# KiCad board mobo.kicad_pcb (continued)
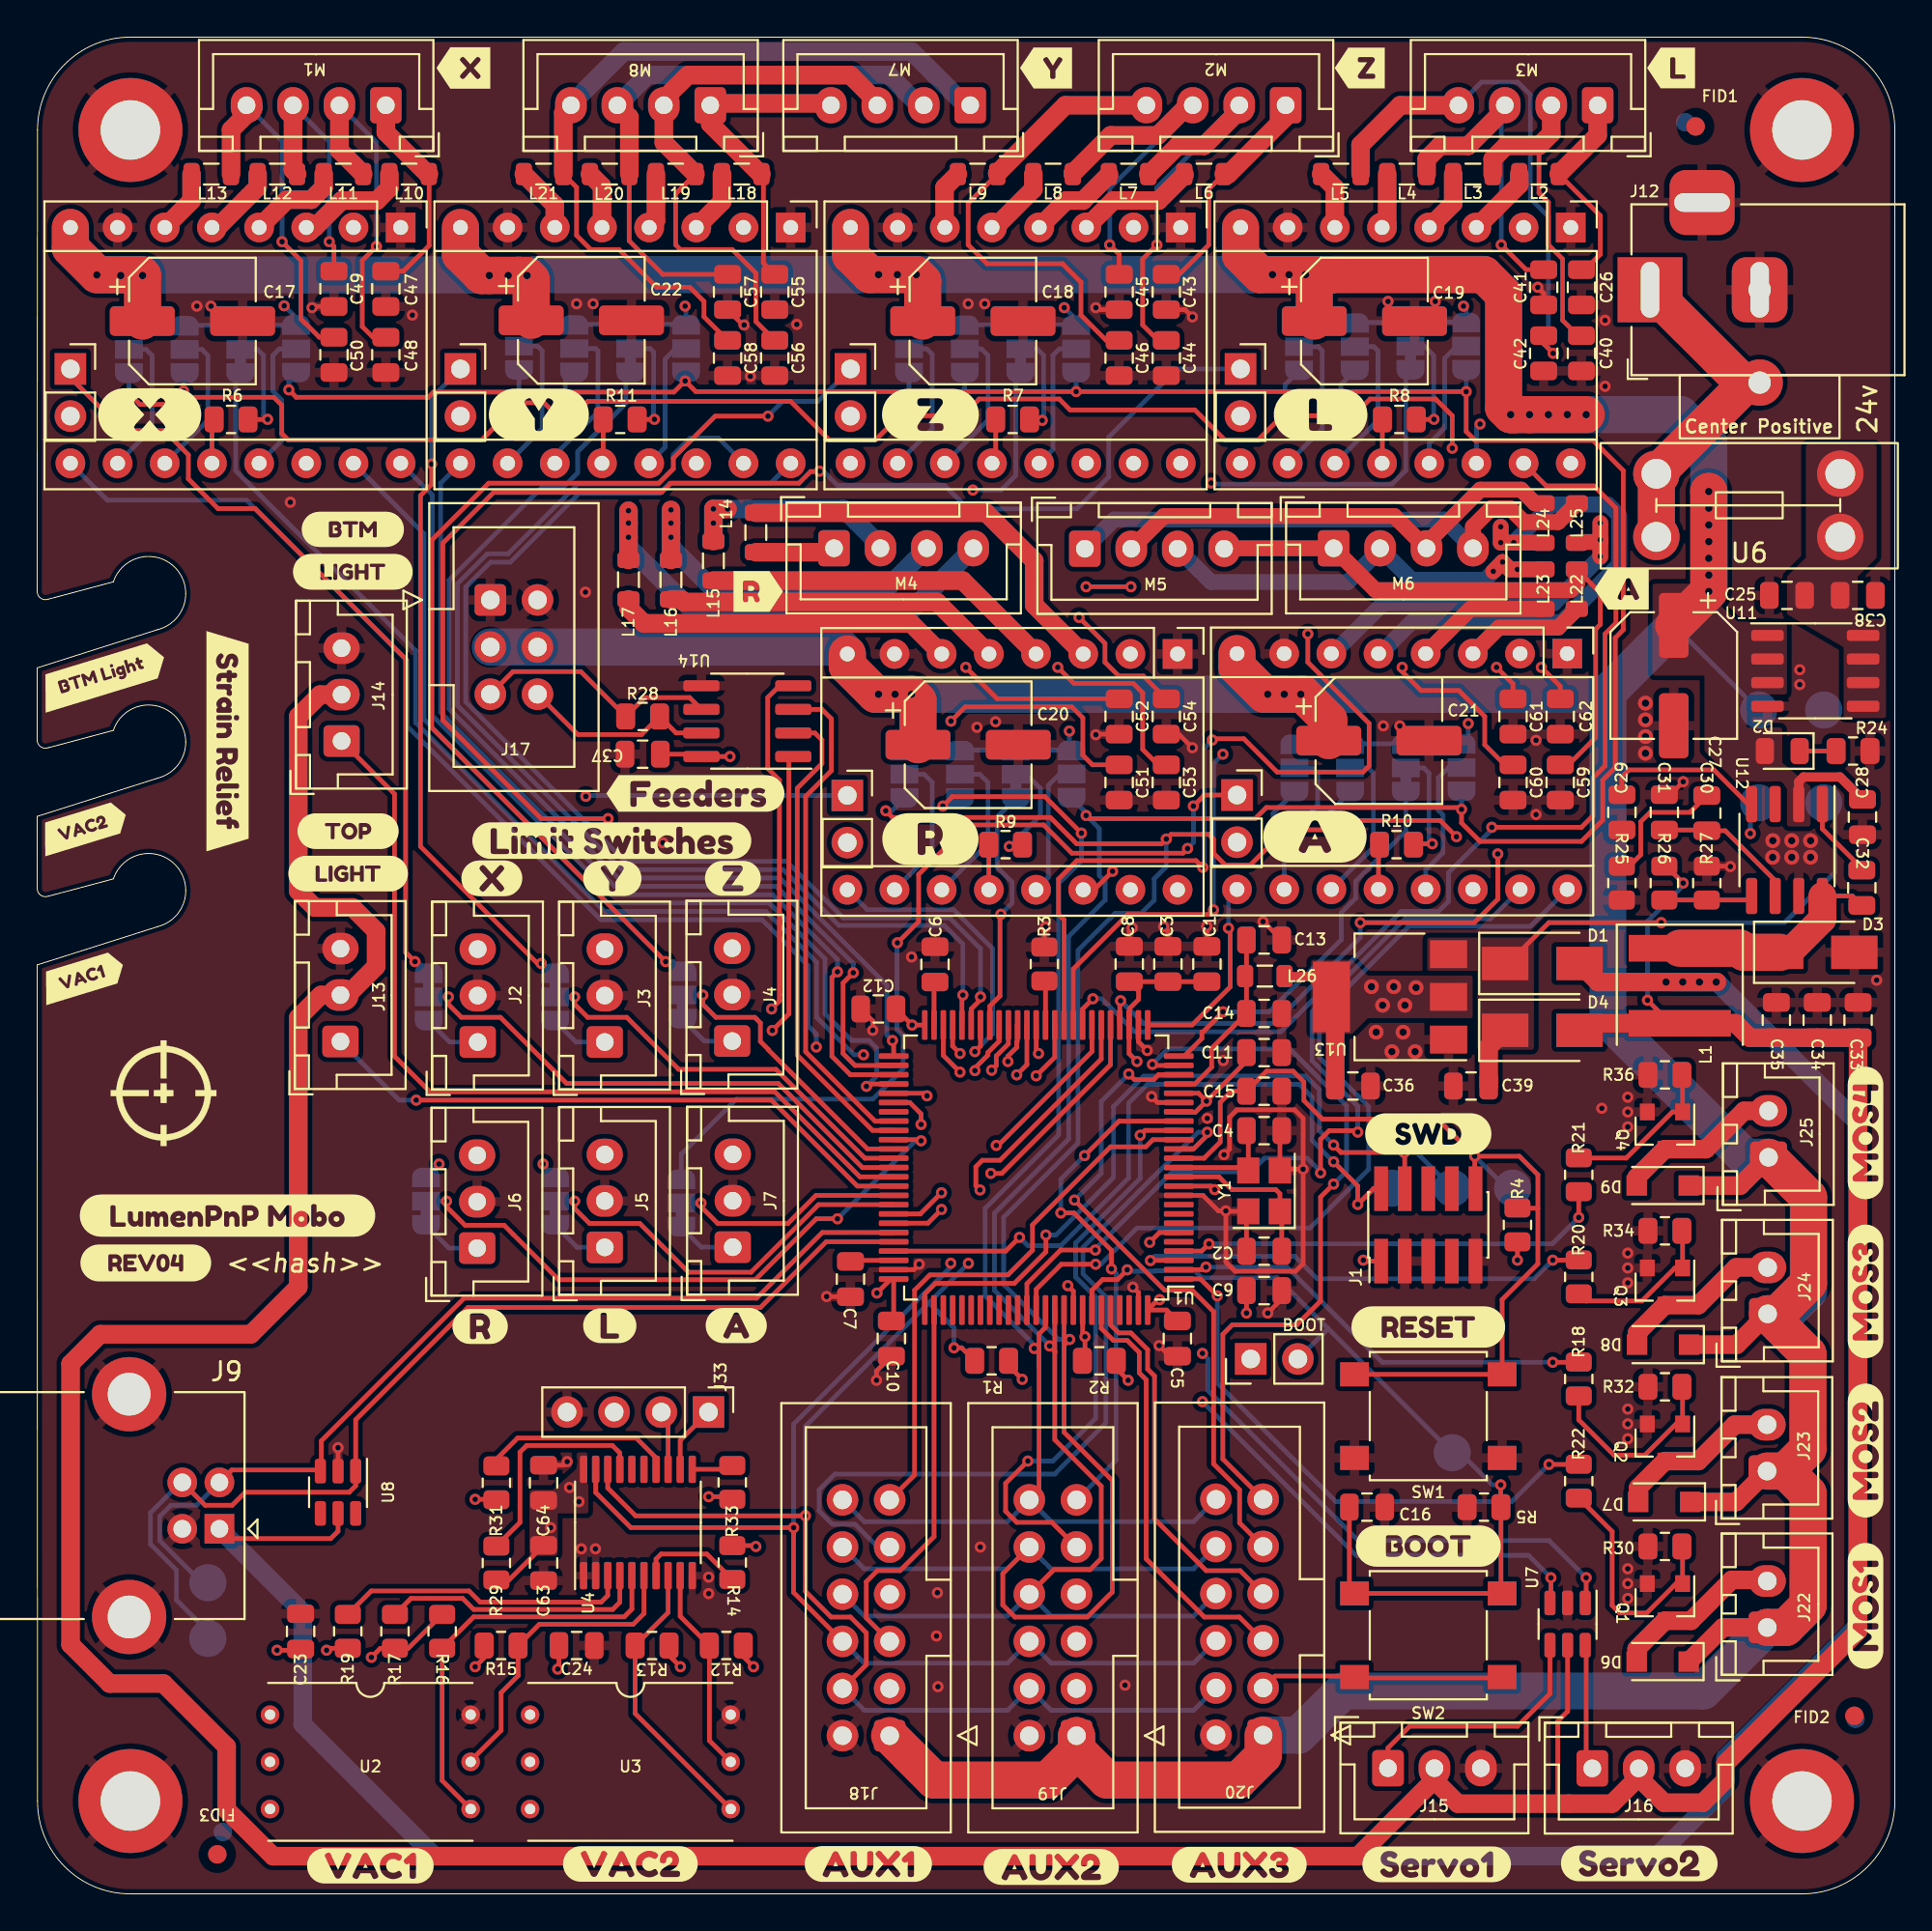
[diagram p0: board, top side]
## Routing (per net, layer and track width the routed paths; a pad name or vN(x,y) marks a point on that pad's centre or on a via; arc(x,y) is an arc through that point) (continued)
/Limit switches/L_LIMIT: length 3.2
  Bottom w0.25: JP30.1 29.07,34.82 J5.1
/Limit switches/R: length 33.2
  Top w0.25: v1(43.09,36.36) 41.95,36.36 38.67,33.08 28.07,33.08 25.14,36.01 23.04,36.01 22.04,37.01 v1(22.04,37.31) ; v1(47.59,40.56) 47.53,40.62 U1.60
  Bottom w0.25: v1(47.59,40.56) 47.29,40.56 v1(43.09,36.36) ; v1(22.04,37.31) JP31.2
/Limit switches/R_DIAG: length 38.2
  In2.Cu w0.25: v1(21.64,39.31) 21.64,40.41 25.44,44.21 25.44,55.01 v1(29.54,59.11)
  Bottom w0.25: J28.1 29.59,59.16 v1(29.54,59.11) ; v1(21.64,39.31) JP31.3
/Limit switches/R_LIMIT: length 3.3
  Bottom w0.25: J6.1 22.17,34.78 JP31.1
/Limit switches/X: length 29.1
  Top w0.25: v1(22.14,48.31) 22.14,47.91 22.84,47.21 24.94,47.21 28.5,43.65 39.9,43.65 44.43,39.12 U1.63
  Bottom w0.25: v1(22.14,48.31) JP25.2
/Limit switches/X_DIAG: length 43.1
  Top w0.25: J27.1 1.79,81.66 4.64,78.81 6.84,78.81 8.14,77.51 8.14,76.21 9.74,74.61 11.74,74.61 19.84,66.51 19.84,50.71 v1(20.34,50.21)
  Bottom w0.25: v1(20.34,50.21) 20.48,50.21 JP25.1
/Limit switches/X_LIMIT: length 3.1
  Bottom w0.25: J2.1 22.21,45.88 JP25.3
/Limit switches/Y: length 22.1
  Top w0.25: v1(28.94,48.31) 28.94,47.91 29.64,47.21 31.74,47.21 34.54,44.41 39.78,44.41 44.57,39.62 U1.62
  Bottom w0.25: v1(28.94,48.31) JP26.2
/Limit switches/Y_DIAG: length 36.7
  Top w0.25: v1(21.24,77.01) 21.24,75.91 20.64,75.31 20.64,56.41 26.94,50.11 v1(27.14,50.11)
  Bottom w0.25: J29.1 21.24,80.58 v1(21.24,77.01) ; JP26.1 27.64,49.61 v1(27.14,50.11)
/Limit switches/Y_LIMIT: length 3.1
  Bottom w0.25: J3.1 29.01,45.88 JP26.3
/Limit switches/Z: length 15.7
  Top w0.25: U1.61 44.7,40.12 39.38,45.44 39.38,45.47 38.94,45.91 38.94,46.91 38.64,47.21 36.54,47.21 35.84,47.91 v1(35.84,48.41)
  Bottom w0.25: v1(35.84,48.41) JP29.2
/Limit switches/Z_DIAG: length 55.7
  Top w0.25: v1(33.84,50.21) 21.24,62.81 21.24,72.91 24.31,75.98 33.48,75.98 34.25,76.75 34.25,77.33 36.51,79.59 v1(39.35,79.59)
  Bottom w0.25: v1(33.84,50.21) 34.24,50.21 JP29.3 ; J26.1 42.04,80.38 40.14,80.38 v1(39.35,79.59)
/Limit switches/Z_LIMIT: length 3.2
  Bottom w0.25: J4.1 35.92,45.93 JP29.1
/Microcontroller/BOOT0: length 49.3
  Top w0.25: C16.1 70.65,16.46 SW2.1 SW2.1 78.81,16.24 R5.1 78.8,20.84 v1(78.8,22.03) ; U1.94 56.79,32.51 57.37,33.09 58.17,33.09 v1(58.69,33.61)
  Bottom w0.25: J32.2 69.49,30.42 69.49,30.46 ; 69.49,30.46 66.76,33.19 62.69,33.19 62.32,33.56 60.2,33.56 60.18,33.54 58.76,33.54 v1(58.69,33.61) ; 69.49,30.46 TP6.1 76.62,23.76 78.35,22.03 v1(78.8,22.03)
/Microcontroller/BOOT1: length 2.4
  Top w0.25: U1.37 54.29,49.11 R3.1
/Microcontroller/NRST: length 50.5
  Top w0.25: v1(77.4,39.73) 75.4,41.73 69.2,41.73 68.2,42.73 68.2,43.73 67.62,44.31 66.19,44.31 C15.1 64.3,43.23 63.7,42.63 63.7,40.49 62.83,39.62 U1.14 ; v1(77.4,39.73) 79.8,39.73 80.8,38.73 80.8,33.93 78.88,32 SW1.2 SW1.2 ; v1(77.4,39.73) 77.4,38.22 77.44,38.18 J1.10 ; R4.2 79.71,36.93 80.8,36.93
  Bottom w0.25: TP3.1 79.12,38.01 v1(77.4,39.73)
/Microcontroller/PA2: length 20.9
  Top w0.25: v1(63.85,47.51) 62.76,46.42 62.71,46.42 62.71,46.07 61.76,45.12 U1.25
  Bottom w0.25: JP18.3 73.69,57.24 70.99,54.54 70.99,53.62 70.22,52.85 70.22,51.39 66.33,47.51 v1(63.85,47.51)
/Microcontroller/PA3: length 10.8
  Top w0.25: v1(64.14,52.01) 64.23,51.92 64.23,48.85 62.18,46.8 U1.26
  Bottom w0.25: v1(64.14,52.01) 64.14,53.64 A5.9
/Microcontroller/PA4: length 53.1
  Top w0.25: v1(58.33,48.1) 58.29,48.06 U1.29 ; v1(71.24,52.31) 77.38,52.31 78.64,53.57 v1(78.64,56.01)
  In2.Cu w0.25: A3.16 84.92,74.7 84.92,61.13 79.81,56.01 v1(78.64,56.01)
  Bottom w0.25: v1(58.33,48.1) 59.56,46.88 66.61,46.88 71.24,51.51 v1(71.24,52.31)
/Microcontroller/PA9_USART1_TX: length 35.7
  Top w0.25: U14.4 39.97,65.06 39.33,64.43 39.33,60.62 39.97,59.98 39.97,48.09 v1(39.54,47.66) ; v1(48.69,37.76) 47.55,36.62 U1.68
  In2.Cu w0.25: v1(39.54,47.66) 40.59,46.61 40.59,45.76 48.59,37.76 v1(48.69,37.76)
/Microcontroller/PA10_USART1_RX: length 31.5
  Top w0.25: v1(48.69,36.86) 47.95,36.12 U1.69 ; U14.1 40.47,61.02 40.47,47.39 v1(39.58,46.5)
  In2.Cu w0.25: v1(48.69,36.86) 39.58,45.97 v1(39.58,46.5)
/Microcontroller/PB0: length 51.9
  Top w0.25: v1(62.76,55.29) 62.4,55.65 55.98,55.65 54.99,54.66 54.99,52.76 55.29,52.46 U1.35 ; v1(63.27,62.14) 63.33,62.21 64.97,62.21 66.76,60.42 71.39,60.42 71.72,60.75 71.72,63.03 68.41,66.34 v1(68.41,67.86)
  In2.Cu w0.25: v1(68.41,67.86) 66.38,69.89 66.38,75.46 A3.9
  Bottom w0.25: v1(62.76,55.29) 62.83,55.35 62.83,61.7 v1(63.27,62.14)
/Microcontroller/PB1: length 42.6
  Top w0.25: v1(53.79,44.06) 54.79,45.06 U1.36
  In2.Cu w0.25: A2.16 60.16,75.64 60.16,66.21 59.4,65.45 57.49,65.45 55,62.95 55,57.05 57.54,54.51 57.54,47.81 v1(53.79,44.06)
/Microcontroller/PB6_I2C1_SCL: length 75
  Top w0.25: R1.2 49.78,29.41 v1(49.36,29.41) ; U1.92 55.79,32.46 v1(55.49,32.76) ; J18.4 44.64,12.34 44.64,14.06 43.79,14.91 42.75,14.91 41.36,16.29 v1(41.36,20.36) 32.22,20.36 30.72,21.86 U4.18
  In2.Cu w0.25: v1(50.14,33.96) 54.29,33.96 v1(55.49,32.76)
  Bottom w0.25: v1(50.14,33.96) 48.02,31.84 ; 48.02,31.84 41.36,25.18 v1(41.36,20.36) ; 48.02,31.84 49.36,30.49 v1(49.36,29.41) ; J18.4 44.54,9.88 52.24,9.88 J19.4 54.6,9.88 62.26,9.88 J20.4
/Microcontroller/PB7_I2C1_SDA: length 73.6
  Top w0.25: U4.19 30.07,21.62 31.97,19.73 v1(40.73,19.73) 40.73,16.23 J18.6 ; U1.93 56.29,30.14 v1(56.42,30.01) 56.42,28.6
  In2.Cu w0.25: v1(49.19,33.97) 49.78,34.56 54.69,34.56 56.42,32.83 v1(56.42,30.01)
  Bottom w0.25: J18.6 44.54,12.42 52.24,12.42 J19.6 54.6,12.42 62.26,12.42 J20.6 ; v1(49.19,33.97) 49.19,33.76 40.73,25.3 v1(40.73,19.73)
/Microcontroller/PB10: length 50.9
  Top w0.25: U7.3 81.5,15.72 v1(81.5,17.03) ; v1(49.69,45.26) 49.29,45.66 U1.47
  In2.Cu w0.25: v1(62.74,26.51) 62.64,26.61 62.64,28.11 58.19,32.56 57.49,32.56 55.29,34.76 55.29,35.46 54.49,36.26 54.49,38.46 49.06,43.89 49.06,44.63 v1(49.69,45.26)
  Bottom w0.25: v1(81.5,17.03) 80.3,18.23 71.02,18.23 v1(62.74,26.51)
/Microcontroller/PB11: length 52
  Top w0.25: U7.1 83.4,15.72 v1(83.4,17.03) ; U1.48 48.79,45.16 v1(49.69,44.26)
  In2.Cu w0.25: v1(62.74,29.11) 62.44,29.11 59.59,31.96 59.59,33.53 56.89,36.23 56.89,37.56 56.19,38.26 55.69,38.26 v1(49.69,44.26)
  Bottom w0.25: v1(83.4,17.03) 81.4,19.03 71.12,19.03 63.04,27.11 63.04,28.81 v1(62.74,29.11)
/Microcontroller/PB12: length 56.5
  Top w0.25: U1.51 46.11,45.89 v1(46.05,45.96)
  Bottom w0.25: v1(46.05,45.96) 45.75,46.26 45.75,48.94 39.98,54.71 31.28,54.71 22.17,63.82 22.17,70.75 27.18,75.75 27.2,75.73 28.3,75.73 29.1,76.53 29.1,77.68 31.69,80.27 31.69,81.68 JP22.3
/Microcontroller/PB13: length 49.7
  Top w0.25: U1.52 44.03,44.62 43.39,45.26 43.39,49.06 v1(43.94,49.61)
  Bottom w0.25: v1(43.94,49.61) 43.94,50.11 39.79,54.26 31.1,54.26 21.72,63.64 21.72,75.98 A6.9
/Microcontroller/PB14: length 50.6
  Top w0.25: v1(43.09,49.66) 42.79,49.36 42.79,45.11 43.78,44.12 U1.53
  Bottom w0.25: A1.16 21.27,75.35 21.27,63.45 30.91,53.81 39.6,53.81 43.09,50.33 v1(43.09,49.66)
/Microcontroller/PB15: length 52.6
  Top w0.25: v1(44.65,43.49) 44.78,43.62 U1.54
  Bottom w0.25: v1(44.65,43.49) 45.21,44.05 45.21,45.54 44.79,45.96 43.85,45.96 42.42,47.39 42.42,50.36 39.42,53.36 30.72,53.36 20.82,63.26 20.82,73.26 A1.15
/Microcontroller/PC4: length 58.1
  Top w0.25: U1.33 56.29,47.66 v1(56.84,48.21) ; A3.15 81.25,75.83 83.81,75.83 85,74.64 85,68.44 84.42,67.86 84.42,60.75 83.78,60.11 83.78,58.08 83.15,57.45 v1(78.32,57.45)
  Bottom w0.25: v1(56.84,48.21) 57.32,48.21 59.1,46.43 66.96,46.43 73.44,52.91 75.44,52.91 75.99,53.46 75.99,55 78.32,57.33 v1(78.32,57.45)
/Microcontroller/PC5: length 52
  Top w0.25: U1.34 55.79,49.82 58.72,52.75 63.08,52.75 v1(63.33,53)
  In2.Cu w0.25: v1(63.84,61.38) 63.84,65.7 62.74,66.8 62.74,75.52 v1(63.21,75.99)
  Bottom w0.25: v1(63.33,53) 63.33,60.87 v1(63.84,61.38) ; v1(63.21,75.99) 63.27,75.92 72.95,75.92 73.69,76.66 73.69,81.81 JP10.3
/Microcontroller/PD6: length 45.9
  Top w0.25: U1.87 53.29,32.86 55.11,34.68 v1(56.97,34.68) ; v1(69.1,38.83) 69.1,40.64 69.56,41.1 71.03,41.1 v1(71.1,41.03)
  Bottom w0.25: v1(56.97,34.68) 56.97,34.74 61.11,38.88 65.34,38.88 66.09,39.63 68.37,39.63 69.1,38.9 v1(69.1,38.83) ; v1(71.1,41.03) 71.1,42.42 68.64,44.88 68.64,47.51 73.64,52.51 78.25,52.51 A5.15
/Microcontroller/PD7: length 47.2
  Top w0.25: v1(56.99,33.91) 55.14,33.91 53.79,32.56 U1.88
  Bottom w0.25: v1(56.99,33.91) 57.27,33.91 59.22,35.86 68.53,35.86 71.69,39.02 71.69,42.39 69.04,45.04 69.04,47.31 73.84,52.11 80.39,52.11 A5.16
/Microcontroller/PD8: length 62.4
  Top w0.25: v1(47.91,42.98) 47.77,43.12 U1.55
  In2.Cu w0.25: v1(47.91,42.98) 45.7,45.19 v1(44.49,45.19)
  Bottom w0.25: v1(44.49,45.19) 43.98,45.19 41.97,47.21 41.97,50.17 39.23,52.91 30.54,52.91 20.37,63.08 20.37,66.96 10.69,76.64 10.69,81.63 JP2.3
/Microcontroller/PD9: length 67.4
  Top w0.25: U1.56 46.98,42.62 47.59,42.01 v1(47.59,41.44)
  In2.Cu w0.25: v1(47.59,41.44) 45.89,41.44 41.95,45.38 v1(41.95,45.61)
  Bottom w0.25: A1.9 3.78,75.06 11.27,75.06 19.92,66.41 19.92,62.89 30.35,52.46 39.04,52.46 41.52,49.98 41.52,49.7 41.51,49.69 41.51,46.75 41.95,46.31 v1(41.95,45.61)
/Microcontroller/PD11: length 26.4
  Top w0.25: 41.32,63.8 42.25,63.8 42.76,63.29 42.76,60.49 41.37,59.11 41.37,45.36 45.11,41.62 U1.58
/Microcontroller/PD12: length 26.1
  Top w0.25: U1.59 44.98,41.12 40.92,45.17 40.92,59.55 42.25,60.87 42.25,62.14 41.87,62.53 40.71,62.53
/Microcontroller/PE2: length 30.1
  Top w0.25: R22.2 82.99,23.13 v1(81.4,23.13) ; U1.1 62.63,33.12 v1(63.54,32.21)
  Bottom w0.25: v1(81.4,23.13) 79.4,21.13 69.92,21.13 63.54,27.51 v1(63.54,32.21)
/Microcontroller/PE3: length 23.7
  Top w0.25: R18.2 82.99,28.63 v1(81.6,28.63) ; v1(62.93,33.76) 62.79,33.62 U1.2
  Bottom w0.25: v1(62.93,33.76) 67.29,33.76 72.42,28.63 v1(81.6,28.63)
/Microcontroller/PE4: length 25.6
  Top w0.25: R20.2 82.99,34.13 v1(81.6,34.13) ; U1.3 59.95,34.12 v1(59.94,34.11)
  Bottom w0.25: v1(59.94,34.11) 60.16,34.33 67.72,34.33 68.92,33.13 80.6,33.13 v1(81.6,34.13)
/Microcontroller/PE5: length 23.7
  Top w0.25: v1(83,36.43) R21.2 ; U1.4 62.7,34.62 v1(63.09,35.01)
  Bottom w0.25: v1(63.09,35.01) 81.58,35.01 v1(83,36.43)
/Microcontroller/PE7: length 35.9
  Top w0.25: v1(53.92,45.26) 53.79,45.39 U1.38
  In2.Cu w0.25: v1(53.92,45.26) 54.99,46.33 54.99,55.31 54.55,55.75 54.55,63.27 57.62,66.34 57.62,75.64 A2.15
/Microcontroller/PE8: length 50.4
  Top w0.25: v1(52.74,44.11) 53.29,44.66 U1.39
  In2.Cu w0.25: v1(50.38,75.61) 47.71,75.61 46.78,74.67 46.78,71.84 47.42,71.2 48.61,71.2 52.54,67.27 52.54,63.64 54.15,62.03 54.15,56.62 52.49,54.96 52.49,53.29 52.92,52.86 52.92,44.29 v1(52.74,44.11)
  Bottom w0.25: JP6.3 52.69,81.66 52.69,76.39 51.9,75.61 v1(50.38,75.61)
/Microcontroller/PE9: length 63.6
  Top w0.25: v1(52.26,44.83) 52.26,45.12 52.74,45.59 52.74,45.88 52.77,45.9 52.77,46.77 U1.40
  In2.Cu w0.25: A2.9 42.72,75.98 30.94,75.98 30.31,75.35 30.31,61.13 36.13,55.31 49.14,55.31 49.99,54.46 49.99,53.17 52.26,50.9 v1(52.26,44.83)
/Microcontroller/PE10: length 20.6
  Top w0.25: U1.41 52.29,45.78 51.64,45.13 51.64,44.61 v1(51.39,44.36)
  In2.Cu w0.25: A4.16 61.4,50.17 54.09,42.86 52.59,42.86 51.39,44.06 v1(51.39,44.36)
/Microcontroller/PE11: length 28.2
  Top w0.25: v1(50.49,44.34) 50.49,44.48 51.19,45.18 51.19,45.32 51.79,45.92 U1.42
  In2.Cu w0.25: v1(50.49,44.34) 50.49,44.23 52.36,42.36 54.39,42.36 62.01,49.98 62.01,52.99 62.57,53.55 62.57,54.52 61.81,55.29 59.52,55.29 58.86,54.63 A4.15
/Microcontroller/PE12: length 13.4
  Top w0.25: v1(51.89,52.76) 51.84,52.71 51.84,48.36 51.29,47.81 U1.43
  Bottom w0.25: JP14.3 51.69,58 51.69,55.3 52.49,54.5 52.49,53.36 v1(51.89,52.76)
/Microcontroller/PE13: length 16.6
  Top w0.25: U1.44 50.79,45.67 v1(50.49,45.36)
  Bottom w0.25: v1(50.49,45.36) 51.44,46.32 51.44,50.91 49.34,53.01 44.69,53.01 A4.9
/Microcontroller/PE14: length 64
  Top w0.25: v1(50.79,48.31) 50.79,48.16 50.29,47.66 U1.45
  Bottom w0.25: v1(50.79,48.31) 50.79,50.91 49.14,52.56 43.4,52.56 40.35,55.61 31.66,55.61 23.07,64.2 23.07,70.38 24.42,71.72 25.47,71.72 29.18,75.43 33.5,75.43 34.04,75.98 39.5,75.98 A6.16
/Microcontroller/PE15: length 63.1
  Top w0.25: v1(49.84,48.41) 49.79,48.36 U1.46
  Bottom w0.25: v1(49.84,48.41) 49.84,51.16 48.84,52.16 43.17,52.16 40.16,55.16 31.47,55.16 22.62,64.01 22.62,70.56 24.23,72.17 25.35,72.17 29.11,75.93 33.42,75.93 34.25,76.77 34.25,77.51 35.14,78.4 36.68,78.4 A6.15
/Microcontroller/SWCLK: length 42.7
  Top w0.25: v1(54.31,35.49) 54.31,34.58 52.61,32.88 48.36,32.88 47.79,32.31 U1.76 ; J1.4 73.63,39.9 v1(73.6,39.93) 70.2,39.93 v1(69.8,40.33)
  Bottom w0.25: TP4.1 74.27,39.93 v1(73.6,39.93) ; v1(54.31,35.49) 54.85,35.49 57.95,38.58 57.95,42.41 59.59,44.05 68.3,44.05 69.04,43.31 69.04,41.09 v1(69.8,40.33)
/Microcontroller/SWDIO: length 39.9
  Top w0.25: v1(69.8,39.43) 71.1,38.13 v1(71.1,37.13) 71.95,37.98 J1.2 ; U1.72 52.15,34.62 v1(52.89,35.36)
  Bottom w0.25: v1(52.89,35.36) 53.34,34.91 55.12,34.91 58.76,38.55 58.76,42.59 59.77,43.6 67.95,43.6 68.64,42.91 68.64,40.59 v1(69.8,39.43) ; TP5.1 71.98,38.01 v1(71.1,37.13)
/Motor control/Motor AUX/1A: length 40.2
  Top w0.25: v1(73.49,66.06) 73.49,65.83 74.51,64.81 76.54,64.81 77.94,63.41 77.94,61.89 79.02,60.81 C60.1
  Top w0.85: L23.2 v1(79.7,71.33) 79.3,71.33 v1(78.9,71.73) v1(78.4,71.23)
  In2.Cu w0.25: v1(73.49,66.06) 73.49,70.91 72.3,72.1 M6.2
  Bottom w0.85: v1(79.7,71.33) 79.3,71.33 v1(78.9,71.73) 77.95,70.78 73.99,70.78 M6.2 72.3,72.38 70.57,70.65 63.2,70.65 M5.3
/Motor control/Motor AUX/1B: length 33.1
  Top w0.25: L22.2 84.16,70.07 84.16,68.37 83.91,68.11 83.91,62.27 82.44,60.81 C59.1
  Top w0.85: L22.2 82.9,70.53 82.59,70.22 72.05,70.22 M6.1 63.93,72.47 M5.4
/Motor control/Motor AUX/2A: length 35.4
  Top w0.25: v1(78.57,66.06) 79.46,65.17 C61.1
  Top w0.85: M5.2 60.67,74.21 73.07,74.21 M6.3 74.8,72.73 77.7,75.63 79.9,75.63 80.64,74.89 L24.2
  In2.Cu w0.25: v1(78.57,66.06) 78.57,68.13 74.8,71.9 M6.3
/Motor control/Motor AUX/2B: length 40.1
  Top w0.25: v1(80.99,66.06) 82,65.04 C62.1
  Top w0.85: M6.4 77.3,73.63 78.3,74.63 79.3,74.63 80.05,73.88 81.89,73.88 L25.2
  In2.Cu w0.25: v1(80.99,66.06) 80.99,67.34 77.3,71.03 M6.4
  Bottom w0.85: M6.4 75.75,74.02 57.98,74.02 M5.1
/Motor control/Motor AUX/MS0: length 8.4
  Bottom w0.25: JP17.2 68.66,60.64 68.94,60.36 68.94,58.61 67.14,56.81 A5.10
/Motor control/Motor AUX/MS1: length 8.6
  Bottom w0.25: JP19.2 71.66,60.64 71.94,60.36 71.94,56.36 A5.11
/Motor control/Motor AUX/MS2: length 6.3
  Top w0.25: R10.2 74.15,56.56 v1(75.12,56.56)
  Bottom w0.25: v1(75.12,56.56) 74.94,56.73 74.94,60.36 74.66,60.64 JP18.2
/Motor control/Motor AUX/RESET: length 8
  Bottom w0.25: A5.13 74.76,55.14 75.69,56.07 75.69,58.11 75.44,58.36 75.44,60.11 75.99,60.66 JP20.2
/Motor control/Motor left/1A: length 17.3
  Top w0.25: 80.86,94.15 80.86,91.61 81.37,91.1 81.37,88.81 82.13,88.05 82.13,84.75 82.96,83.92 C40.1
  Top w1: M3.2 81.52,94.81 80.86,94.15 79.08,94.15 78.37,93.43 L3.2
/Motor control/Motor left/1B: length 11.2
  Top w0.25: C26.1 83.33,87.48 84.16,88.31 84.16,90.38 L2.2
  Top w1: M3.1 84.02,94.72 L2.2
/Motor control/Motor left/2A: length 16.8
  Top w0.25: v1(78.83,88.81) 80.16,87.48 C41.1
  Top w1: M3.3 79.02,96.12 77.05,94.15 75.53,94.15 74.81,93.43 L4.2
  Bottom w0.25: M3.3 78.83,96.14 v1(78.83,88.81)
/Motor control/Motor left/2B: length 28
  Top w0.25: v1(81.62,82.97) 81.11,83.48 C42.1
  Top w1: M3.4 73.39,96.33 71.25,94.19 L5.2
  Bottom w0.25: v1(81.62,82.97) 81.37,83.23 81.37,90.34 80.4,91.31 80.4,96.9 79.71,97.58 77.77,97.58 M3.4
/Motor control/Motor left/MS0: length 8.2
  Bottom w0.25: JP9.2 68.97,83.33 69.19,83.11 69.19,80.6 69.17,80.57 69.17,80.1 69.19,80.07 69.19,78.91 A3.10
/Motor control/Motor left/MS1: length 8.4
  Bottom w0.25: JP11.2 71.97,83.33 72.19,83.11 72.19,79.37 A3.11
/Motor control/Motor left/MS2: length 5.9
  Top w0.25: R8.2 75.2,79.41 v1(75.21,79.42)
  Bottom w0.25: JP10.2 74.69,83.36 75.19,82.86 75.19,79.43 v1(75.21,79.42)
/Motor control/Motor left/RESET: length 7.4
  Bottom w0.25: A3.13 74.95,78.12 75.78,78.95 75.78,82.7 76.44,83.36 JP4.2
/Motor control/Motor right/1A: length 30.5
  Top w0.25: v1(50,66.06) 51.69,64.36 C52.1
  Top w1: L15.2 v1(36.41,73.83) v1(36.41,74.59) v1(37.17,74.59)
  In2.Cu w0.25: M4.2 49.87,68.01 49.87,66.19 v1(50,66.06)
  Bottom w1: v1(36.41,73.83) v1(36.41,74.59) 43.41,74.59 45.4,72.6 M4.2
/Motor control/Motor right/1B: length 28.1
  Top w0.25: v1(49.2,63.16) 49.97,63.93 55.71,63.93 56.3,63.34 56.3,61.33 56.82,60.81 C51.1
  Top w1: M4.1 42.69,72.26 L14.2
  In2.Cu w0.25: M4.1 47.5,67.88 47.5,65.83 49.2,64.13 v1(49.2,63.16)
/Motor control/Motor right/2A: length 40.3
  Top w0.25: C53.1 60.35,60.81 59.52,61.64 59.52,64.68 59.02,65.19 55.82,65.19 v1(54.95,66.06)
  Top w1: v1(34.12,74.54) v1(34.12,73.83) v1(34.12,73.07) L16.2
  In2.Cu w0.25: v1(54.95,66.06) 54.95,67.22 51.4,70.78 49.6,70.78 M4.3
  Bottom w1: v1(34.12,74.54) v1(34.12,73.83) 34.12,72.56 36.16,70.53 45.96,70.53 M4.3
/Motor control/Motor right/2B: length 46.9
  Top w0.25: v1(56.09,68.75) 57.49,67.35 57.49,66.34 58.24,65.59 59.57,65.59 C54.1
  Top w1: v1(31.84,74.49) v1(31.84,73.83) v1(31.84,73.07) L17.2
  In2.Cu w0.25: M4.4 50.4,74.61 51.53,75.74 53.42,75.74 54.57,74.59 54.57,70.4 56.09,68.88 v1(56.09,68.75)
  Bottom w1: v1(31.84,74.49) v1(31.84,73.83) 31.84,72.56 35.39,69 46.93,69 M4.4
/Motor control/Motor right/MS0: length 8.3
  Bottom w0.25: A4.10 48.19,56.11 48.19,59.86 47.75,60.3 JP13.2
/Motor control/Motor right/MS1: length 8.5
  Bottom w0.25: JP15.2 50.75,60.3 51.19,59.86 51.19,56.57 A4.11
/Motor control/Motor right/MS2: length 6.2
  Top w0.25: v1(52.34,56.41) 52.95,56.41 R9.2
  Bottom w0.25: v1(52.34,56.41) 54.02,58.09 54.02,59.53 53.25,60.3 JP14.2
/Motor control/Motor right/RESET: length 7.4
  Bottom w0.25: JP16.2 55.05,60.31 54.44,59.7 54.44,54.74 A4.13
/Motor control/Motor X/1A: length 18.7
  Top w0.25: v1(18.27,88.73) 17.5,87.97 17.5,84.41 18.08,83.84 C48.1
  Top w1: L11.2 16.27,93.9 16.27,96.22
  Bottom w0.25: M1.2 18.27,94.34 v1(18.27,88.73)
/Motor control/Motor X/1B: length 11.4
  Top w0.25: C47.1 19.72,87.39 21.11,88.78 21.11,92.61 L10.2
  Top w1: 18.77,96.22 18.77,94.87 21.02,92.62 L10.2
/Motor control/Motor X/2A: length 13.5
  Top w0.25: v1(15.73,88.98) 15.98,88.73 C49.1
  Top w1: L12.2 13.77,92.84 13.77,96.22
  Bottom w0.25: v1(15.73,88.98) 15.73,94.38 M1.3
/Motor control/Motor X/2B: length 19
  Top w0.25: v1(13.19,88.98) 14.2,87.97 14.2,84.83 15.19,83.84 C50.1
  Top w1: 11.66,96.22 10.44,95.01 L13.2
  Bottom w0.25: M1.4 13.19,94.42 v1(13.19,88.98)
/Motor control/Motor X/MS0: length 8
  Bottom w0.25: JP1.2 5.87,83.18 6.19,82.86 6.19,78.91 A1.10
/Motor control/Motor X/MS1: length 8.2
  Bottom w0.25: A1.11 9.19,79.37 9.19,82.86 8.87,83.18 JP3.2
/Motor control/Motor X/MS2: length 6
  Top w0.25: v1(12.41,79.42) 12.4,79.41 R6.2
  Bottom w0.25: v1(12.41,79.42) 12.19,79.63 12.19,82.86 11.87,83.18 JP2.2
/Motor control/Motor X/RESET: length 7.9
  Bottom w0.25: JP8.2 13.04,83.21 12.69,82.86 12.69,80.94 13.17,80.46 13.17,78.27 A1.13
/Motor control/Motor Y/1A: length 30.6
  Top w0.25: L19.2 34.38,91.56 34.38,88.81 34.63,88.56 37.43,88.56 38.7,87.29 38.7,84.68 C56.1
  Top w1: 43.78,97.96 45.23,96.5 ; L19.2 33.74,94.32 M8.2 33.74,96.66 35.04,97.96 43.79,97.96
/Motor control/Motor Y/1B: length 17.2
  Top w0.25: L18.2 39.1,92.52 39.1,87.83 C55.1
  Top w1: M7.4 42.63,96.43 36.34,96.43 M8.1 36.24,95.33 38.95,92.62 L18.2
/Motor control/Motor Y/2A: length 31.6
  Top w0.25: C57.1 33.68,87.22 31.88,89.03 31.88,92.61 L20.2
  Top w1: M8.3 31.88,95.69 L20.2
  Bottom w1: 47.73,96.08 45.86,97.96 32.86,97.96 31.23,96.33
/Motor control/Motor Y/2B: length 42.5
  Top w0.25: C58.1 35.9,84.94 35.9,85.77 35.14,86.53 33.36,86.53 31.33,88.56 29.81,88.56 29.04,89.32 29.04,91.91 L21.2
  Top w1: M8.4 28.33,95.92 L21.2
  Bottom w1: M8.4 28.74,96.38 31.58,99.23 47.09,99.23 50.23,96.08
/Motor control/Motor Y/MS0: length 8.2
  Bottom w0.25: JP21.2 26.95,83.35 27.19,83.11 27.19,78.91 A6.10
/Motor control/Motor Y/MS1: length 8.3
  Bottom w0.25: JP23.2 30.07,83.23 30.19,83.11 30.19,79.82 27.87,77.5 A6.11
/Motor control/Motor Y/MS2: length 5.9
  Top w0.25: v1(33.23,79.42) 33.23,79.41 R11.2
  Bottom w0.25: v1(33.23,79.42) 33.19,79.46 33.19,83.05 33.01,83.23 JP22.2
/Motor control/Motor Y/RESET: length 7.3
  Bottom w0.25: JP24.2 34.38,83.23 33.81,82.66 33.81,77.91 A6.13
/Motor control/Motor Z/1A: length 22.2
  Top w0.25: C44.1 60.35,83.67 59.52,84.5 59.52,88.05 v1(60.29,88.81)
  Top w1: L7.2 59.88,92.62 61.41,94.15 62.83,94.15 64.72,96.04 M2.2
  Bottom w0.25: v1(60.29,88.81) 60.29,91.9 M2.2
/Motor control/Motor Z/1B: length 12.3
  Top w0.25: L6.2 63.08,91.82 63.08,88.81 61.49,87.22 C43.1
  Top w1: L6.2 64.14,92.62 67.19,95.67 67.19,96.3 M2.1
/Motor control/Motor Z/2A: length 19.2
  Top w0.25: C45.1 58.25,88.31 v1(57.75,88.81)
  Top w1: L8.2 55.76,92.67 57.8,94.71 60.34,94.71 61.97,96.33 M2.3
  Bottom w0.25: M2.3 57.75,91.86 v1(57.75,88.81)
/Motor control/Motor Z/2B: length 25.3
  Top w0.25: C46.1 57.56,83.67 56.2,85.03 56.2,86.8 55.21,87.8 51.14,87.8 50.13,88.81 50.13,91.05 L9.2
  Top w1: M2.4 55.36,96.33 51.7,92.67 L9.2
/Motor control/Motor Z/MS0: length 8
  Bottom w0.25: A2.10 48.19,78.91 48.19,82.92 47.9,83.21 JP5.2
/Motor control/Motor Z/MS1: length 8.2
  Bottom w0.25: JP7.2 50.84,83.21 51.19,82.86 51.19,79.37 A2.11
/Motor control/Motor Z/MS2: length 5.6
  Top w0.25: R7.2 54.07,79.41 v1(54.12,79.36)
  Bottom w0.25: JP6.2 53.84,83.21 54.19,82.86 54.19,79.43 v1(54.12,79.36)
/Motor control/Motor Z/RESET: length 7.5
  Bottom w0.25: JP12.2 55.04,83.21 54.69,82.86 54.69,77.79 A2.13
/Power/POWER_SUPPLY: length 19
  Top w2: U6.1 U6.2 87.18,76.49 92.08,81.39 J12.4 91.84,81.39 J12.1
/RS485/RS-485+: length 13.6
  Top w0.25: J17.5 25.62,65.83 29.27,65.83 R28.1 32.7,64.43 35.13,64.43 U14.6
/RS485/RS-485-: length 10.5
  Top w0.25: J17.6 29.11,62.44 32.54,62.44 R28.2 34.4,62.53 35.76,62.53
/USB/D+: length 57.2
  Top w0.25: J9.3 9.05,20.93 10.5,20.93 11.2,21.63 16.8,21.63 17.15,21.98 U8.1 17.15,25.54 23.2,31.58 38.94,31.58 42.48,35.12 U1.71
  Bottom w0.25: J9.3 7.73,22.16 6.1,20.53 6.1,18.83 7.5,17.43 7.5,15.83 9.19,14.14 TP2.1
/USB/D-: length 51.7
  Top w0.25: J9.2 10.48,22.83 15.19,22.83 U8.3 15.3,22.82 15.3,24.4 22.99,32.08 38.74,32.08 42.27,35.62 U1.70
  Bottom w0.25: J9.2 8.58,20.93 7.2,20.93 6.6,20.33 6.6,19.03 8.87,16.76 TP1.1
/Vacuum sensors/SC0: length 16.9
  Top w0.25: U2.5 23.34,7.17 24.98,8.81 24.98,10.84 25.89,11.75 R15.2 27.04,14.52 32.09,14.52 32.67,15.1 U4.6
/Vacuum sensors/SC1: length 11.2
  Top w0.25: U3.5 36.19,8.26 R12.2 34.62,14.95 34.62,17.14
/Vacuum sensors/SC2: length 3.2
  Top w0.25: U4.13 33.97,25.58 J33.2
/Vacuum sensors/SD0: length 22.2
  Top w0.25: U2.4 21.81,6.1 R16.2 23.5,14.92 31.6,14.92 32.02,15.34 U4.5
/Vacuum sensors/SD1: length 15.4
  Top w0.25: U4.8 33.97,15.15 R13.2 32.2,9.71 U3.4
/Vacuum sensors/SD2: length 3.7
  Top w0.25: J33.1 34.62,24.42 34.62,22.87
VDC: length 450.4
  Top w0.5: 94.85,58.69 94.85,59.9 95.1,60.16 97.07,60.16 C28.2
  Top w1: J24.1 91.51,29.58 D8.1 ; D9.1 91.7,38.15 J25.1 ; D7.1 91.48,21.11 J23.1 ; D6.1 90.76,14.35 J22.1
  Top w2: 69.74,87.21 65.84,87.21 64.79,88.26 A3.8 ; 69.74,87.21 69.75,87.22 77.89,87.22 78.96,86.15 78.96,80.05 v2(79.34,79.67) v2(80.35,79.67) v2(83.4,79.67) ; 69.74,87.21 68.97,87.21 68.76,87 C19.1 ; J25.1 95.37,37.52 95.37,32.89 93.72,31.24 J24.1 95.34,29.07 95.34,23.97 94.14,22.77 ; J20.1 66.01,7.44 64.7,6.13 57.6,6.13 55.96,7.77 J19.1 55.96,7.67 54.42,6.13 48.29,6.13 J18.1 ; A2.8 43.79,88.26 44.84,87.21 v2(47.33,87.21) 47.68,86.86 C18.1 ; v2(90,75.53) 90,75.53 v2(90,70.14) 88.18,68.32 C27.1 ; 94.14,22.77 95.35,21.56 95.35,15.55 94.15,14.35 J22.1 ; 94.14,22.77 J23.1 ; C21.1 69.54,63.23 68.16,64.61 v2(67.14,64.61) 66.07,64.61 64.6,66.09 A5.8 ; A1.8 1.79,88.66 3.24,87.21 5.63,87.21 v2(5.68,87.16) 5.68,84.73 C17.1 ; C22.1 26.6,86.94 v2(26.38,87.16) v2(24.34,87.16) 23.92,87.16 22.79,88.3 A6.8 ; A4.8 43.62,66.13 45.14,64.61 v2(47.08,64.61) 47.43,64.26 C20.1
  Bottom w0.25: 88.14,68.29 88.16,68.29 TP8.1
  Bottom w2: J20.1 67.92,8.55 70.3,10.93 89.7,10.93 93.12,14.35 J22.1 94.15,14.35 95.35,15.55 95.35,21.56 94.14,22.77 ; 64.86,64.61 64.6,64.87 A5.8 ; 64.86,64.61 45.14,64.61 43.62,66.13 A4.8 43.25,67.15 J17.4 J17.3 ; 64.86,64.61 84.47,64.61 v2(90,70.14) ; A6.8 22.79,87.66 23.14,87.31 ; A2.8 43.79,87.56 44.14,87.21 ; A3.8 64.79,87.76 65.34,87.21 ; J23.1 94.14,22.77 ; 94.14,22.77 95.34,23.97 95.34,29.07 J24.1 94.17,31.24 95.37,32.44 95.37,37.52 J25.1 91.96,39.67 84.57,47.06 84.57,64.71 v2(90,70.14) ; 44.14,87.21 44.15,87.22 65.33,87.22 65.34,87.21 ; 44.14,87.21 26.83,87.21 ; 65.34,87.21 69.74,87.21 69.75,87.22 77.89,87.22 78.96,86.15 78.96,80.05 v2(79.34,79.67) 83.15,79.67 ; v2(90,70.14) 90,78.15 88.48,79.67 v2(83.4,79.67) ; 26.67,87.19 v2(3.22,87.19) 1.79,88.62 A1.8
  vias: v2(4.5,87.16) v2(25.36,87.16) v2(45.3,87.21) v2(45.3,64.61) v2(46.19,64.61) v2(46.32,87.21) v2(66.25,64.61) v2(66.51,87.21) v2(67.4,87.21) v2(68.03,64.61) v2(68.29,87.21) v2(81.37,79.67) v2(82.38,79.67) v2(90,74.63) v2(90,73.73) v2(90,72.83) v2(90,71.93) v2(90,71.03)
Net-(A1-Pad3): length 6.1
  Top w1: A1.3 14.94,89.75 16.39,91.2 18.3,91.2 18.96,91.87 L10.1
Net-(A1-Pad4): length 5.1
  Top w1: L11.1 15.43,91.91 14.76,91.24 13.44,91.24 A1.4
Net-(A1-Pad5): length 4.1
  Top w1: A1.5 9.71,89.75 11.87,91.91 L12.1
Net-(A1-Pad6): length 3.5
  Top w1: L13.1 8.31,91.2 6.87,89.75 A1.6
Net-(A1-Pad12): length 2.4
  Top w0.25: R6.1 9.41,79.29 A1.12
Net-(A2-Pad3): length 6.5
  Top w1: A2.3 57.94,91.2 60.39,91.2 61.76,92.58 L6.1
Net-(A2-Pad4): length 5
  Top w1: L7.1 57.7,92.59 56.31,91.2 55.4,91.2 A2.4
Net-(A2-Pad5): length 3.9
  Top w1: A2.5 51.57,89.75 53.64,91.82 L8.1
Net-(A2-Pad6): length 3.2
  Top w1: A2.6 48.86,89.76 48.86,91.91 L9.1
Net-(A2-Pad12): length 2.4
  Top w0.25: A2.12 51.61,77.25 R7.1
Net-(A3-Pad3): length 3.8
  Top w1: L2.1 79.8,92.06 A3.3
Net-(A3-Pad4): length 3.4
  Top w1: L3.1 76.24,91.04 A3.4
Net-(A3-Pad5): length 3
  Top w1: L4.1 72.69,90.03 A3.5
Net-(A3-Pad6): length 3.2
  Top w1: A3.6 69.87,91.88 L5.1
Net-(A3-Pad12): length 2.4
  Top w0.25: A3.12 72.43,77.07 R8.1
Net-(A4-Pad3): length 22.2
  Top w1: L14.1 51.1,74.38 53.68,71.8 53.68,69.42 A4.3
Net-(A4-Pad4): length 19
  Top w1: A4.4 49.83,70.73 L15.1
Net-(A4-Pad5): length 18.3
  Top w1: A4.5 48.44,69.58 34.82,69.58 34.68,69.72 L16.1
Net-(A4-Pad6): length 18.3
  Top w1: A4.6 47.05,68.43 32.66,68.43 31.84,69.26 L17.1
Net-(A4-Pad12): length 2.4
  Top w0.25: A4.12 51.24,56.5 R9.1
Net-(A5-Pad3): length 6.6
  Top w0.85: L22.1 81.89,68.2 78.7,68.2 A5.3
Net-(A5-Pad4): length 7.3
  Top w0.85: A5.4 77.17,69.21 L23.1
Net-(A5-Pad5): length 29.1
  Top w0.85: v1(78.8,73.63) v1(78.8,72.78) v1(79.5,72.78) 81.09,72.78 L24.1
  Bottom w0.85: v1(78.8,73.63) v1(78.8,72.78) v1(79.5,72.78) 81.55,74.83 84.58,74.83 85.18,74.23 85.18,71.61 82.06,68.49 74,68.49 72.31,66.8 A5.5
Net-(A5-Pad6): length 21.7
  Top w0.85: v1(84.16,72.93) v1(84.16,72.03) ; v1(84.16,73.83) 84.16,72.81 82.95,72.81 L25.1
  Bottom w0.85: A5.6 69.77,66.8 72.48,69.51 81.67,69.51 84.16,72.01 v1(84.16,73.83)
Net-(A5-Pad12): length 2.4
  Top w0.25: R10.1 72.22,56.45 A5.12
Net-(A6-Pad3): length 3.4
  Top w1: A6.3 36.87,91.13 L18.1
Net-(A6-Pad4): length 3
  Top w1: A6.4 33.32,90.12 L19.1
Net-(A6-Pad5): length 3.1
  Top w1: L20.1 30.41,91.97 A6.5
Net-(A6-Pad6): length 3.6
  Top w1: A6.6 27.87,90.96 L21.1
Net-(A6-Pad12): length 2.4
  Top w0.25: A6.12 30.48,77.12 R11.1
Net-(C2-Pad1): length 9
  Top w0.25: C2.1 67.01,36.66 Y1.1 66.91,37.71 66.69,37.93 64.32,37.93 63.63,38.62 U1.12
Net-(C4-Pad1): length 6
  Top w0.25: C4.1 65.21,41 Y1.3 65.05,39.12 U1.13
Net-(C6-Pad1): length 2.3
  Top w0.25: U1.49 48.29,49.06 C6.1
Net-(C7-Pad1): length 2.3
  Top w0.25: U1.73 43.85,34.12 C7.1
Net-(C29-Pad2): length 8.9
  Top w0.25: C29.2 85.32,60.16 85.7,60.54 90.28,60.54 92.12,58.69 U12.4
Net-(C30-Pad1): length 7.2
  Top w0.25: R25.1 85.73,55.35 86.34,55.96 86.34,57.74 86.85,58.25 88.99,58.25 C30.1
Net-(C30-Pad2): length 7.9
  Top w0.25: 93.58,53.74 93.58,54.57 90.89,57.26 C30.2 89.85,57.3 C31.2
Net-(C32-Pad1): length 4.4
  Top w0.25: U12.1 96.12,57.36 98.24,55.24 C32.1
Net-(C32-Pad2): length 12.1
  Top w0.25: C32.2 97.73,53.74 96.12,53.74 ; 94.28,50.71 D3.1
  Top w1.5: 94.28,50.71 94.33,50.71 96.12,52.5 96.12,53.74
  Top w2: L1.1 91.68,50.93 91.9,50.71 D3.1
Net-(D2-Pad1): length 2
  Top w0.25: D2.1 R24.1
Net-(D6-Pad2): length 9.3
  Top w1: D6.2 86.12,13.19 Q1.3 89.04,14.71 91.24,16.91 93.09,16.91 J22.2
Net-(D7-Pad2): length 9.1
  Top w1: J23.2 91.4,25.27 89.44,23.31 Q2.3 86.2,21.87 D7.2
Net-(D8-Pad2): length 9.1
  Top w1: D8.2 86.14,30.21 Q3.3 89.44,31.71 91.47,33.74 J24.2
Net-(D9-Pad2): length 9
  Top w1: J25.2 91.9,42.17 89.84,40.11 Q4.3 86.12,38.59 D9.2
Net-(J15-Pad1): length 13.6
  Top w0.25: J15.1 72.73,7.86 73.9,9.03 79.7,9.03 81.45,10.78 U7.4
Net-(J16-Pad1): length 6.8
  Top w0.25: U7.6 83.4,13.34 83.4,7.09 J16.1
Net-(Q1-Pad1): length 13.2
  Top w0.25: R30.2 88.59,18.67 Q1.1 88.24,16.71 86.66,15.13 85.2,15.13 84.8,15.53 84.8,19.52 R22.1
Net-(Q2-Pad1): length 10.4
  Top w0.25: R32.2 88.59,27.27 Q2.1 88.24,25.31 86.56,23.63 84.9,23.63 83,25.53 R18.1
Net-(Q3-Pad1): length 8.5
  Top w0.25: R34.2 88.59,35.67 Q3.1 88.18,33.71 86.4,31.93 83.39,31.93 R20.1
Net-(Q4-Pad1): length 8.6
  Top w0.25: R21.1 83.01,39.63 85.56,39.63 88.04,42.11 Q4.1 88.59,44.07 R36.2
Net-(R14-Pad2): length 5.7
  Top w0.25: R14.2 36.05,18.3 33.6,18.3 33.32,18.03 U4.7
Net-(R17-Pad2): length 14.3
  Top w0.25: U4.4 31.37,15.7 30.99,15.32 23.5,15.32 22.9,15.92 20.13,15.92 R17.2
Net-(R19-Pad2): length 16
  Top w0.25: R19.2 17.99,16.32 23.25,16.32 23.84,15.72 30.37,15.72 30.72,16.07 U4.3
Net-(R26-Pad2): length 4.8
  Top w0.25: R26.2 R27.1 92.09,53.53 92.31,53.74
Net-(R29-Pad2): length 12.2
  Top w0.25: U4.17 31.37,23.75 30.97,24.15 26.36,24.15 26,23.79 26,20 R29.2
Net-(R31-Pad2): length 10.5
  Top w0.25: R31.2 24.73,23.41 25.87,24.55 32.25,24.55 33.32,23.48 U4.14
Net-(R33-Pad2): length 2.2
  Top w0.25: U4.11 37.22,22.87 R33.2

## Copper pours and planes (outline as drawn; the poured copper is in the pictures)
+3V3 on Top: 29.68,20.49 28.03,20.49 28.03,18.2 26.5,18.2 26.5,21.76 27.77,21.76 29.04,22.9 29.04,23.79 29.68,23.79
+3V3 on Top: 71.64,49.46 77.29,49.46 77.29,47.16 71.64,47.16 70.79,46.31 68.59,46.31 68.59,50.31 70.79,50.31
+3V3 on In2.Cu: 101.79,-1.04 -0.81,-1.24 -1.21,101.06 101.39,100.86
+5V on Top: 80.59,45.46 77.54,45.46 77.54,49.71 74.84,49.71 74.84,51.51 80.59,51.51
/Power/VIN on Top: 99.04,71.97 98.02,70.95 98.02,68.66 99.55,68.66 99.55,63.33 97.26,63.33 97.26,67.14 94.21,68.92 94.21,70.95 95.23,71.97 95.23,78.06 99.04,78.06
GND on Top: 101.74,-1.04 -0.86,-1.24 -1.26,101.06 101.34,100.86
GND on Bottom: 101.71,-1.04 -0.89,-1.24 -1.29,101.06 101.31,100.86
GND on In1.Cu: 101.79,-1.04 -0.81,-1.24 -1.21,101.06 101.39,100.86
VDC on Top: 91.54,68.54 94.21,68.41 94.21,64.6 92.05,64.6 92.05,62.82 93.96,62.82 93.96,60.92 95.48,59.65 95.48,57.49 94.21,57.49 94.21,59.52 93.83,59.9 91.42,59.9 89.77,61.55 89.77,65.62 86.97,65.62 86.97,70.57 89.39,70.57

## Text on the board
B.Silkscreen: SWITCH | TMC
F.Silkscreen: BOOT | Center Positive | <<hash>> | 24v
In1.Cu: OPULO.IO
